# Altium PCB Main_Board.PcbDoc (continued)
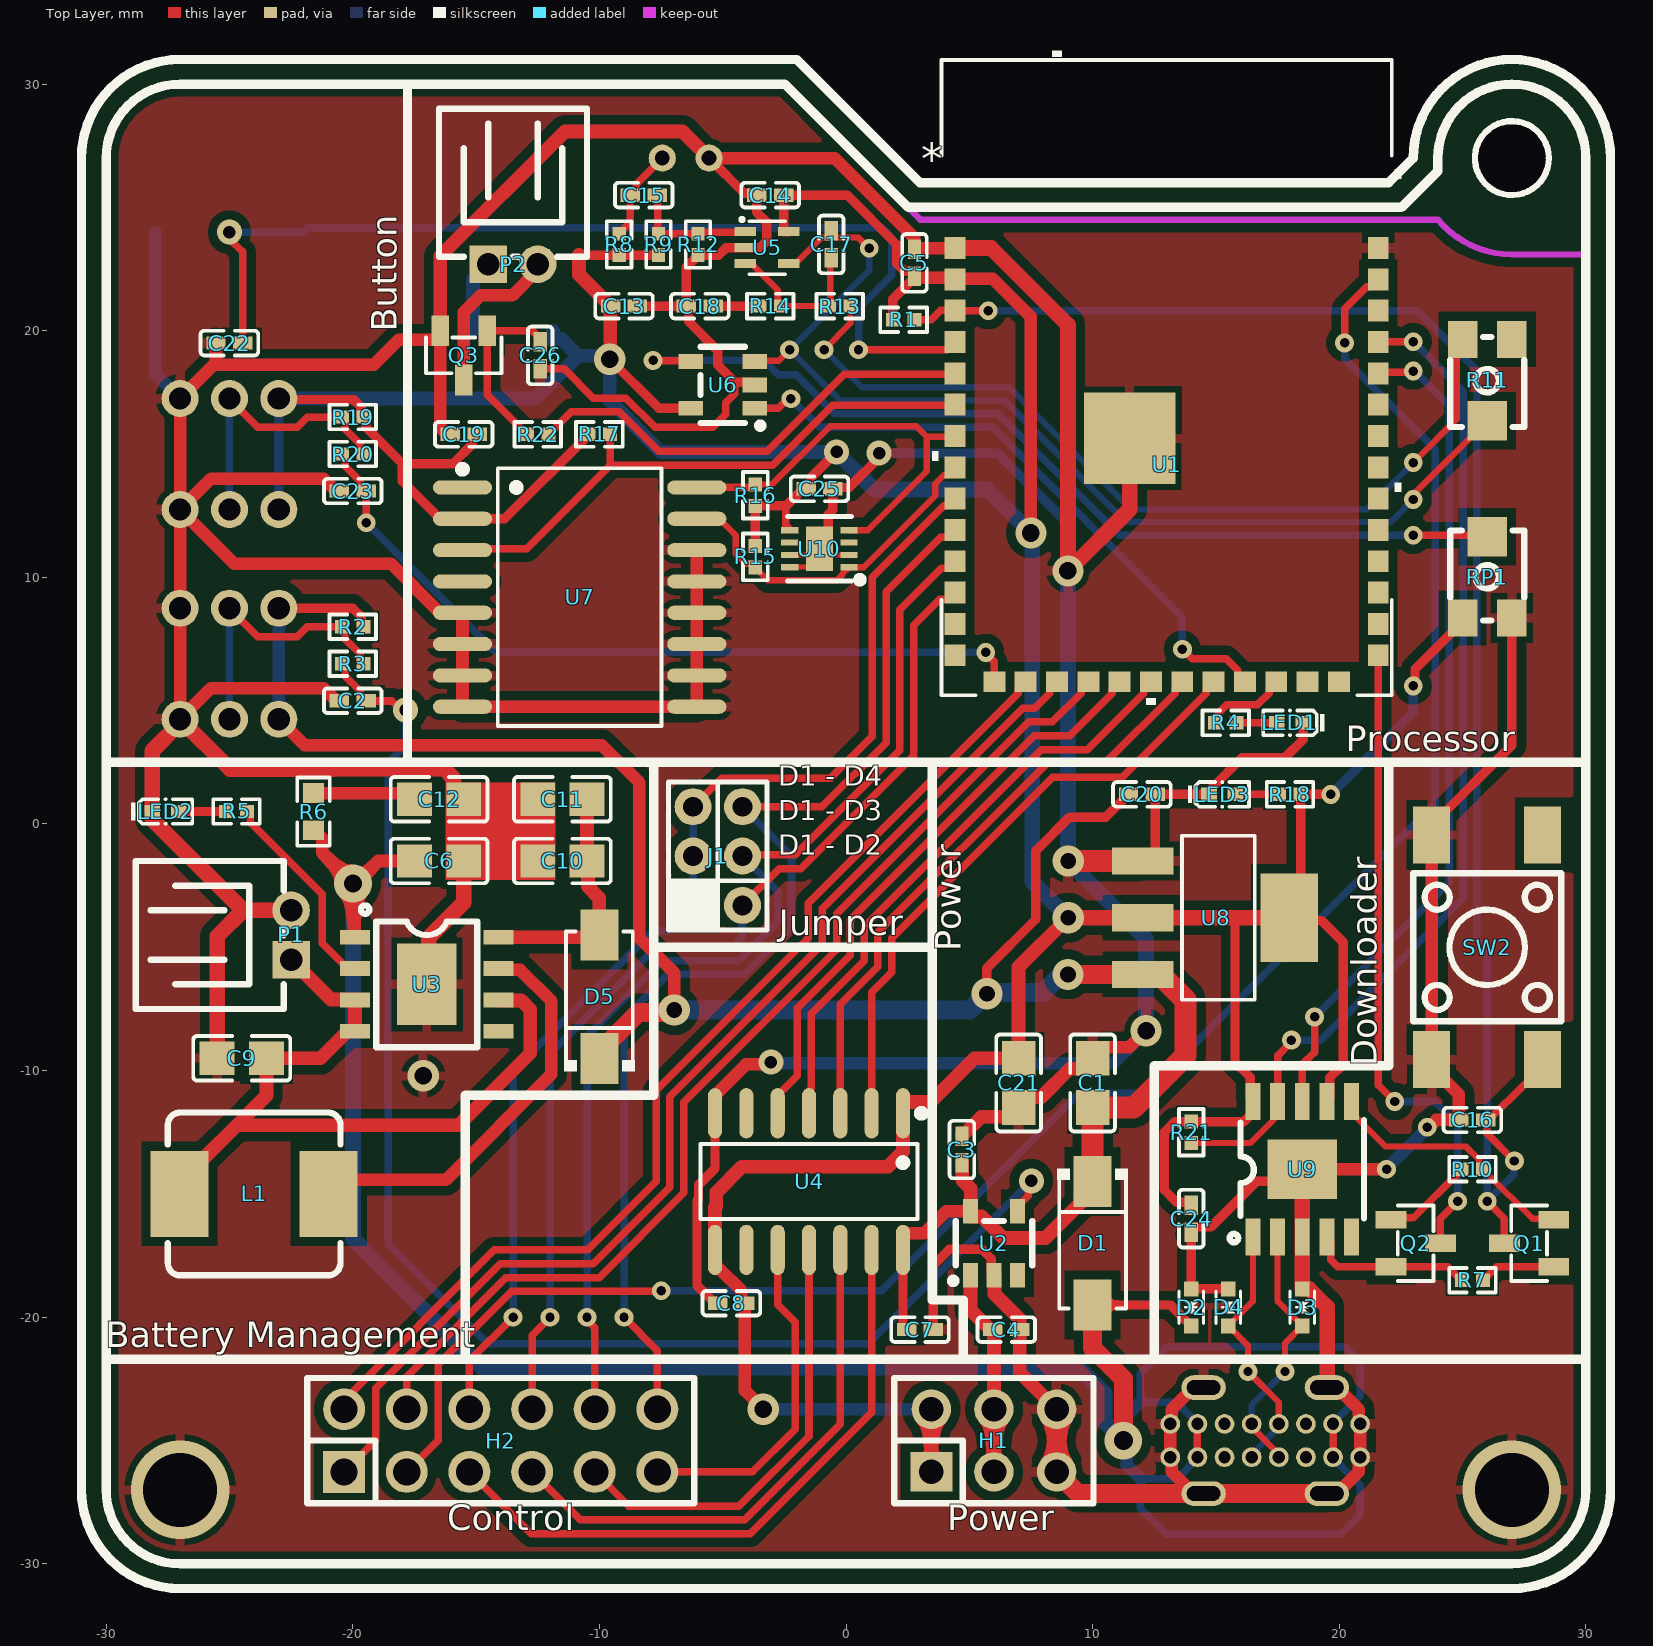
[diagram p0: Top Layer view]
## Footprints (in the part's own frame and the unit in brackets; to place one, negate y for a bottom-side part, rotate by r counter-clockwise, add the part's x,y. Pads: shape width x height; smd on the part's side, far side on the other; paste and mask are expansions set on the pad) (continued)
SOT-23-3_L2.9-W1.3-P1.90-LS2.4-BR [mm]
  rect 1.25x0.7 smd: 1(1,-0.95) 2(1,0.95) 3(-1,0)
  silkscreen extent -0.73,-1.53 0.73,1.53, body extent -1.25,-1.45 1.25,1.45, height 1.05
SOT-23-5_L3.0-W1.7-P0.95-LS2.8-BR [mm]
  rect 1x0.6 smd: 1(1.3,-0.95) 2(1.3,0) 3(1.3,0.95) 4(-1.3,0.95) 5(-1.3,-0.95)
  silkscreen extent -0.9,-1.78 1.65,1.55, body extent -1.47,-1.37 1.42,1.41, height 1.2
SOT-223-3_L6.5-W3.4-P2.30-LS7.0-BR [mm]
  rect 2.5x1.1 smd: 1(2.97,-2.3) 2(2.97,0) 3(2.97,2.3)
  rect 2.34x3.6 smd: 4(-2.97,0)
  silkscreen extent -1.57,-3.33 1.37,3.33, body extent -3.65,-3.25 3.45,3.25, height 1.75
SW-SMD_4P-L6.0-W6.0-P4.50-LS9.0-2 [mm]
  rect 2.3x1.5 smd: 1(-4.55,2.25) 2(4.55,2.25) 3(-4.55,-2.25) 4(4.55,-2.25)
  silkscreen extent -3,-3 3,3, body extent -4.2,-3.2 4.2,3.2, height 3.4
SW-TH_6P-L5.8-W5.8-P2.00-LS4.5-BL [mm]
  round 1.5 hole 0.9: 1(-2,-2.25) 2(0,-2.25) 3(2,-2.25) 4(-2,2.25) 5(0,2.25) 6(2,2.25)
  silkscreen extent -2.9,-2.9 2.9,2.9, body extent -2.9,-2.9 2.9,2.9, height 8
USB-C-TH_TYPE-C-31-D-09 [mm]
  oval 1.8x1 hole 0.6 slot 1.365 at 0 deg: 17(2.5,2.15) 18(-2.5,2.15) 19(-2.5,-2.15) 20(2.5,-2.15)
  round 0.8 hole 0.5: A1(-3.85,0.675) A4(-2.75,0.675) A5(-1.65,0.675) A6(-0.55,0.675) A7(0.55,0.675) A8(1.65,0.675) A9(2.75,0.675) A12(3.85,0.675) B1(3.85,-0.675) B4(2.75,-0.675) B5(1.65,-0.675) B6(0.55,-0.675) B7(-0.55,-0.675) B8(-1.65,-0.675) B9(-2.75,-0.675) B12(-3.85,-0.675)
  silkscreen extent -4.5,-1.6 4.5,1.6, body extent -4.47,-2.3 4.47,2.3, height 6.5

## Part data
C1 C6 C11 C12 C21: BOM_JLCPCB Part Class="Extended Part", BOM_Manufacturer=SAMSUNG(三星), BOM_Manufacturer Part=CL21A106KOQNNNE, BOM_Supplier=LCSC, BOM_Supplier Part=C1713, nameAlias=Capacitance, spicePre=C, spiceSymbolName=CL21A106KOQNNNE
C2 C3 C5 C7 C8 C13 C14 C15 C16 C19 C20 C22 C23 C24 C25: BOM_JLCPCB Part Class="Basic Part", BOM_Manufacturer=SAMSUNG(三星), BOM_Manufacturer Part=CL05B104KO5NNNC, BOM_Supplier=LCSC, BOM_Supplier Part=C1525, nameAlias=Capacitance, spicePre=C, spiceSymbolName=CL05B104KO5NNNC
C4 C18 C26: BOM_JLCPCB Part Class="Extended Part", BOM_Manufacturer=SAMSUNG(三星), BOM_Manufacturer Part=CL05A105KO5NNNC, BOM_Supplier=LCSC, BOM_Supplier Part=C29266, nameAlias=Capacitance, spicePre=C, spiceSymbolName=CL05A105KO5NNNC
C9 C10: BOM_JLCPCB Part Class="Extended Part", BOM_Manufacturer=SAMSUNG(三星), BOM_Manufacturer Part=CL21A226MOQNNNE, BOM_Supplier=LCSC, BOM_Supplier Part=C98190, nameAlias=Capacitance, spicePre=C, spiceSymbolName=CL21A226MOQNNNE
C17: BOM_JLCPCB Part Class="Extended Part", BOM_Manufacturer=YAGEO(国巨), BOM_Manufacturer Part=CC0402JRNPO9BN101, BOM_Supplier=LCSC, BOM_Supplier Part=C106200, nameAlias=Capacitance, spicePre=C, spiceSymbolName=CC0603JRNPO9BN101
D1 D5: BOM_JLCPCB Part Class="Basic Part", BOM_Manufacturer=MDD, BOM_Manufacturer Part=SS54, BOM_Supplier=LCSC, BOM_Supplier Part=C22452, spicePre=D, spiceSymbolName=SS54_C22452
D2 D3 D4 Q1 Q2 Q3: BOM_JLCPCB Part Class="Extended Part", BOM_Manufacturer=LRC(乐山无线电), BOM_Supplier=LCSC
  D2 D3 D4: BOM_Manufacturer Part=LESD5D5.0CT1G, BOM_Supplier Part=C383211, Contributor=LCSC, spicePre=D, spiceSymbolName=LESD5D5.0CT1G
  Q1 Q2 Q3: BOM_Manufacturer Part=L8050QLT1G, BOM_Supplier Part=C49581, spicePre=Q, spiceSymbolName=L8050QLT1G
D6: BOM_JLCPCB Part Class="Extended Part", BOM_Manufacturer=ROHM(罗姆), BOM_Manufacturer Part=RB161M-20TR, BOM_Supplier=LCSC, BOM_Supplier Part=C427072, Contributor=LCSC, spicePre=D, spiceSymbolName=RB161M-20TR
H1: BOM_JLCPCB Part Class="Extended Part", BOM_Manufacturer=CONNFLY, BOM_Manufacturer Part=DS1023-2*3SF11, BOM_Supplier=LCSC, BOM_Supplier Part=C92272, Contributor=LCSC, spicePre=H, spiceSymbolName=Header-Female-2.54_2x3
H2: BOM_JLCPCB Part Class="Extended Part", BOM_Manufacturer=BOOMELE(博穆精密), BOM_Manufacturer Part=2.54-2*6P母, BOM_Supplier=LCSC, BOM_Supplier Part=C36191, spicePre=H, spiceSymbolName=Header-Female-2.54_2x6
LED1 LED2 LED3: BOM_JLCPCB Part Class="Extended Part", BOM_Manufacturer=yongyu(永裕光电), BOM_Manufacturer Part=SZYY0402B, BOM_Supplier=LCSC, BOM_Supplier Part=C434447, Contributor=LCSC, spicePre=L, spiceSymbolName=SZYY0402B
P1 P2: BOM_JLCPCB Part Class="Extended Part", BOM_Manufacturer=BOOMELE, BOM_Manufacturer Part="PH-2AW RHOS", BOM_Supplier=LCSC, BOM_Supplier Part=C16965, spicePre=X, spiceSymbolName="PH-2AW RHOS"
R1 R2 R7 R10 R13 R17 R19: BOM_JLCPCB Part Class="Extended Part", BOM_Manufacturer=YAGEO(国巨), BOM_Manufacturer Part=RC0402FR-0710KL, Resistance=10kΩ, BOM_Supplier=LCSC, BOM_Supplier Part=C60490, nameAlias="Resistance (Ohms)", spicePre=R, spiceSymbolName=RC0402FR-0710KL
R3 R20: BOM_JLCPCB Part Class="Extended Part", BOM_Manufacturer=YAGEO(国巨), BOM_Manufacturer Part=RC0402FR-073K3L, Resistance=3.3kΩ, BOM_Supplier=LCSC, BOM_Supplier Part=C137992, nameAlias="Resistance (Ohms)", spicePre=R, spiceSymbolName=RC0402FR-073K3L
R4 R5 R18: BOM_JLCPCB Part Class="Basic Part", BOM_Manufacturer=UNI-ROYAL(厚声), BOM_Manufacturer Part=0402WGF2001TCE, Resistance (Ohms)=2K, BOM_Supplier=LCSC, BOM_Supplier Part=C4109, nameAlias=Resistance, spicePre=R, spiceSymbolName=0402WGF2001TCE
R6: BOM_JLCPCB Part Class="Extended Part", BOM_Manufacturer=YAGEO(国巨), BOM_Manufacturer Part=RC0603FR-072RL, Resistance=2Ω, BOM_Supplier=LCSC, BOM_Supplier Part=C185341, Contributor=LCSC, nameAlias="Resistance (Ohms)", spicePre=R, spiceSymbolName=RC0603FR-072RL
R8: library part 2kΩ, BOM_JLCPCB Part Class="Basic Part", BOM_Manufacturer=UNI-ROYAL(厚声), BOM_Manufacturer Part=0402WGF2001TCE, Resistance (Ohms)=2K, BOM_Supplier=LCSC, BOM_Supplier Part=C4109, nameAlias=Resistance, spicePre=R, spiceSymbolName=0402WGF2001TCE
R9 R12: BOM_JLCPCB Part Class="Extended Part", BOM_Manufacturer=YAGEO(国巨), BOM_Manufacturer Part=RC0402FR-07100KL, Resistance=100kΩ, BOM_Supplier=LCSC, BOM_Supplier Part=C60491, nameAlias="Resistance (Ohms)", spicePre=R, spiceSymbolName=RC0402FR-07100KL
R11: library part RP-VG039NCHXTB104, BOM_JLCPCB Part Class="Extended Part", BOM_Manufacturer=HDK(北陆电气), BOM_Manufacturer Part=VG039NCHXTB104, Resistance (Ohms)=100K, BOM_Supplier=LCSC, BOM_Supplier Part=C128545, Contributor=LCSC, nameAlias=Resistance, Resistance(Ohms)=100K, spicePre=R, spiceSymbolName=VG039NCHXTB104
R14 R22: BOM_JLCPCB Part Class="Extended Part", BOM_Manufacturer=YAGEO(国巨), BOM_Manufacturer Part=RC0402FR-071KL, Resistance=1kΩ, BOM_Supplier=LCSC, BOM_Supplier Part=C106235, nameAlias="Resistance (Ohms)", spicePre=R, spiceSymbolName=RC0402FR-071KL
R15 R16 R21: BOM_JLCPCB Part Class="Extended Part", BOM_Manufacturer=YAGEO(国巨), BOM_Manufacturer Part=RC0402FR-074K7L, Resistance=4.7kΩ, BOM_Supplier=LCSC, BOM_Supplier Part=C105871, nameAlias="Resistance (Ohms)", spicePre=R, spiceSymbolName=RC0402FR-074K7L
RP1: library part RP-VG039NCHXTB203, BOM名称=插件电位器, 学习资源=www.ooocke.com, 版权归属=源创客
SW1 SW4: BOM_JLCPCB Part Class="Extended Part", BOM_Manufacturer=G-Switch, BOM_Manufacturer Part=PS-5850A-6PL, BOM_Supplier=LCSC, BOM_Supplier Part=C963201, Contributor=LCSC, spicePre=S, spiceSymbolName=PS-5850A-6PL
SW2: BOM_JLCPCB Part Class="Extended Part", BOM_Manufacturer=kinghelm(金航标), BOM_Manufacturer Part=KH-6X6X5H-STM, BOM_Supplier=LCSC, BOM_Supplier Part=C2837531, Contributor=LCSC, spicePre=S, spiceSymbolName=KH-6X6X5H-STM
U1: Mfr_Name="Espressif Systems", Copyright="Copyright (C) 2023 Ultra Librarian. All rights reserved.", Manufacturer_Part_Number=ESP32-S3-WROOM-1-N8, RefDes=RefDes, Type=DEV
U2 U4 U6: BOM_JLCPCB Part Class="Extended Part", BOM_Manufacturer=TI(德州仪器), BOM_Supplier=LCSC, spicePre=U
  U2: BOM_Manufacturer Part=TPS2069CDBVR, BOM_Supplier Part=C181752, Contributor=LCSC, spiceSymbolName=TPS2069CDBVR
  U4: BOM_Manufacturer Part=TXS0104EDR, BOM_Supplier Part=C79342, Contributor=LCSC, spiceSymbolName=TXS0104EDR
  U6: BOM_Manufacturer Part=TLV3201AIDBVR, BOM_Supplier Part=C105188, spiceSymbolName=TLV3201AIDBVR
U3: BOM_JLCPCB Part Class="Extended Part", BOM_Manufacturer=INJOINIC(英集芯), BOM_Manufacturer Part=IP5305T, BOM_Supplier=LCSC, BOM_Supplier Part=C2982924, Contributor=LCSC, link=https://atta.szlcsc.com/upload/public/pdf/source/20220321/07FA860261DB7C99CD3F2F36D10D3B23.pdf, spicePre=U, spiceSymbolName=IP5305T
U5: BOM_JLCPCB Part Class="Extended Part", BOM_Manufacturer=null, BOM_Manufacturer Part=MAX4466EXK+, BOM_Supplier=LCSC, BOM_Supplier Part=C2892801, Contributor=LCSC, spicePre=U, spiceSymbolName=MAX4466EXK+
U7: BOM_JLCPCB Part Class="Extended Part", BOM_Manufacturer=MAXIM(美信), BOM_Manufacturer Part=DS3231SN#T&R, BOM_Supplier=LCSC, BOM_Supplier Part=C9866, image=http://image.lceda.cn/szlcsc/C9866.jpg, spicePre=U, spiceSymbolName=DS3231SN#, subpart_no=1, tags=Clock
U8: BOM_JLCPCB Part Class="Basic Part", BOM_Manufacturer=AMS, BOM_Manufacturer Part=AMS1117-3.3, BOM_Supplier=LCSC, BOM_Supplier Part=C6186, sourceId=dwIGgezVh, spicePre=U, spiceSymbolName=AMS1117-3.3, timeStamp=1476261164
U9: BOM_JLCPCB Part Class="Extended Part", BOM_Manufacturer=WCH(南京沁恒), BOM_Manufacturer Part=CH340K, BOM_Supplier=LCSC, BOM_Supplier Part=C968586, Contributor=LCSC, spicePre=U, spiceSymbolName=CH340K
U10: BOM_JLCPCB Part Class="Extended Part", BOM_Manufacturer=Sensirion(瑞士盛思锐), BOM_Manufacturer Part=SHT30-DIS-B10KS, BOM_Supplier=LCSC, BOM_Supplier Part=C2687423, Contributor=LCSC, spicePre=U, spiceSymbolName=SHT30-DIS-B10KS
USB1: BOM_JLCPCB Part Class="Extended Part", BOM_Manufacturer=韩国韩荣, BOM_Manufacturer Part=TYPE-C-31-D-09, BOM_Supplier=LCSC, BOM_Supplier Part=C2848615, Contributor=LCSC, spicePre=U, spiceSymbolName=TYPE-C-31-D-09

## Via types
v1: diameter 0.762, hole 0.381, Top Layer to Bottom Layer, 33 vias
v2: diameter 1.27, hole 0.711, Top Layer to Bottom Layer, 6 vias
v3: diameter 1.016, hole 0.508, Top Layer to Bottom Layer, 6 vias
v4: diameter 1.27, hole 0.635, Top Layer to Bottom Layer, 5 vias
v5: diameter 4, hole 3, Top Layer to Bottom Layer, 2 vias
v6: diameter 1.524, hole 0.711, Top Layer to Bottom Layer, 1 vias
v7: diameter 1.524, hole 0.762, Top Layer to Bottom Layer, 1 vias

## Nets (pads, with @x,y where several pads share a name; then routed paths per layer and width w, separated by ;. In a path a pad name is that pad's centre, name@x,y a point inside that pad or via, vN(x,y) a via of type N, cw(c..) or ccw(c..) an arc to the next point about the centre after c; other vN are vias at no path point)
+3.3V: C5.2 C8.2 C13.2 C14.2 C19.2 C21.2 C24.2 C25.2 D6.2 H1.1 H1.2 R1.2 R8.2 R9.2 R15.2 R16.2 R17.2 R18.1 R19.2 R21.2 RP1.1 SW4.1 SW4.4 U1.2 U4.1 U4.8 U5.5 U6.5 U7.2 U8.2 U8.4 U9.7 U9.10 U10.5 | length 213.8
  Top Layer w0.305: -2.436,12.899 -2.436,12.106 U10.5@-2.293,11.963
  Top Layer w0.381: SW4.4 -22.965,17.215 -19.966,17.215 -19.66,16.908 -19.66,16.58 -19.58,16.5 -19.554,16.5 -19.475,16.42 -19.475,16.092 -17.988,14.605 ; C19.2@-14.955,15.72 -15.159,15.72 -15.159,15.392 -15.946,14.605 -17.988,14.605 ; -10.821,23.067 R8.2 R9.2 ; R17.2@-10.34,15.88 -10.366,15.88 -10.525,15.72 -10.525,15.695 -13.845,12.375 U7.2 -16.464,12.375 -17.988,13.899 -17.988,14.605 ; C13.2@-9.75,21.205 -9.75,21.08 -9.67,21 C13.2 ; v2(-9.576,18.847) -7.585,16.856 U6.5 ; R15.2 R16.2 -2.436,12.899 C25.2@-1.746,13.589 ; C14.2@-2.743,25.5 C14.2 ; U5.5 -2.521,24.018 -2.53,24.026 C14.2 ; C25.2 -1.496,13.589 -1.417,13.669 -1.417,14.052 v3(-0.381,15.088) ; R1.2 1.903,21.289 2.615,22 2.696,22 2.776,22.08 C5.2 2.776,22.33 2.696,22.409 2.368,22.409 2.061,22.716 2.061,23.491 0.052,25.5 C14.2 ; C24.2 14,-15.417 13.92,-15.337 13.407,-15.337 12.903,-14.834 12.903,-12.497 13.333,-12.067 R21.2 16.133,-12.067 16.5,-11.7 U9.10 16.39,-11.141 16.39,-10.269 15.773,-9.652 15.773,-3.8 ; U8.4@17.97,-3.63 18.433,-3.167 R18.1 v1(19.66,1.2) ; U8.4@18.055,-3.715 18.252,-3.912 19.279,-3.912 20.168,-4.801 20.168,-9.728 19.609,-10.286 19.609,-11.141 U9.7 ; v1(23,5.6) 23.073,5.673 23.073,6.273 25,8.2 RP1.1
  Top Layer w0.508: v2(-9.576,18.847) v2@-9.56,18.862 ; C13.2@-9.56,20.985 C13.2 ; U4.8 -5.31,-17.983 -5.28,-18.014 -5.152,-18.014 -4.244,-18.921 -4.244,-19.415 -4.228,-19.431 C8.2 -4.103,-22.98 v2(-3.353,-23.73) ; C5.2@2.792,22.144 4.358,22.144 U1.2 4.443,22.107 5.96,22.107 7.5,20.567 v2(7.5,11.8) ; H1.1 H1.2
  Top Layer w0.559: -10.821,23.067 -10.821,22.276 C13.2@-9.75,21.205 ; v2@-9.56,18.862 C13.2@-9.56,20.985 ; U4.8 -5.307,-17.266 -5.307,-15.554 -5.258,-15.505 -5.258,-14.935 -4.216,-13.894 1.702,-13.894 2.31,-13.286 U4.1 2.31,-11.281 2.317,-11.274 3.435,-11.274 5.209,-9.5 C21.2 7,-5.8 9,-3.8 v4(9.006,-3.8)
  Top Layer w0.635: v4(9.006,-3.8) U8.2 15.773,-3.8 U8.4
  Bottom Layer w0.381: SW4.1 SW4.4 ; v1(19.66,1.2) 23,4.54 v1(23,5.6)
  Bottom Layer w0.508: v2(-3.353,-23.73) H1.2
  Bottom Layer w0.559: SW4.4 -12.594,17.25 -10.861,18.983 ; D6.2@-11.999,19.679 D6.2@-11.879,19.8 ; D6.2 D6.2@-11.879,19.8 ; v3(-0.381,15.088) -7.518,15.088 -9.576,17.145 v2(-9.576,18.847) -9.712,18.983 -10.861,18.983 ; D6.2@-11.879,19.8 -11.758,19.679 -11.558,19.679 -10.861,18.983
  Bottom Layer w0.635: v3(-0.381,15.088) 1.143,13.564 5.736,13.564 v2(7.5,11.8) 7.551,11.749 7.551,-2.345 v4(9.006,-3.8)
+5V: C1.2 C3.2 C7.2 C20.2 D1.2 D5.2 R2.2 SW1.1 SW1.4 U2.5 U4.14 U8.3 | length 97.2
  Top Layer w0.381: SW1.4 -20.001,8.75 -19.66,8.408 -19.66,8.08 -19.58,8 -19.554,8 -19.475,7.92 R2.2@-19.475,7.908 ; U4.14@2.399,-16.601 2.31,-16.691 U4.14 2.31,-20.42 2.39,-20.5 C7.2 ; v4(5.715,-6.883) 5.715,-5.842 7.696,-3.861 7.696,-1.092 9.068,0.279 10.534,0.279 C20.2 ; U8.3@12.899,-6.1 U8.3@12.899,-5.931
  Top Layer w0.508: SW1.1 -21.95,3.2 -9.906,3.2 -8.382,1.676 -8.382,-4.623 -6.96,-6.045 v4(-6.96,-7.544) ; U4.14@2.399,-16.601 3.168,-16.601 4.07,-15.7 U2.5
  Top Layer w0.559: C3.2 4.709,-13.754 4.709,-14.438 5.055,-14.783 5.055,-15.895 U2.5@5.05,-15.9 ; U2.5 U2.5@5.05,-15.9 ; D1.2 9.51,-14.986 9.51,-15.375 8.095,-16.789 6.375,-16.789 5.506,-15.92 5.071,-15.92 U2.5@5.05,-15.9
  Top Layer w0.762: D5.2 -10,-9.242 -8.399,-7.641 -7.057,-7.641 v4(-6.96,-7.544) ; v4(9,-6.1) U8.3
  Top Layer w0.889: D1.2 C1.2 11.665,-11.5 13.767,-9.398 13.767,-7.137 12.73,-6.1 U8.3
  Bottom Layer w0.508: SW1.1 SW1.4
  Bottom Layer w0.762: v4@-6.92,-7.544 5.015,-7.544 5.675,-6.883 v4(5.715,-6.883) ; v4@5.715,-6.833 7.992,-6.833 8.704,-6.121 v4@8.967,-6.121
BackL: R22.1 U1.5 | length 18.8
  Top Layer w0.305: R22.1 -12.054,15.8 -11.141,16.713 -9.195,16.713 -7.595,15.113 -3.2,15.113 -0.071,18.243 4.388,18.243 U1.5
BL: H2.5 U4.13 | length 26
  Top Layer w0.305: H2.5 -12.762,-28.778 -3.88,-28.778 1.04,-23.858 U4.13
BL_L: U1.22 U4.2 | length 24.9
  Top Layer w0.305: U4.2 1.04,-6.829 1.854,-6.015 1.854,-4.629 8.384,1.901 11.205,1.901 14.613,5.309 14.613,5.502 14.88,5.769 U1.22
Brightness: H2.3 U1.39 | length 78.2
  Top Layer w0.305: H2.3 -16.526,-24.986 -16.526,-21.913 -13.562,-18.948 -7.518,-18.948 v1(-7.493,-18.923) ; v1(20.218,19.507) 20.218,20.89 21.12,21.792 21.314,21.792 21.581,22.058 U1.39
  Bottom Layer w0.305: v1(-7.493,-18.923) 1.448,-18.923 9.449,-10.922 12.141,-10.922 23.901,0.838 23.901,15.189 20.218,18.872 v1(20.218,19.507)
Button: C22.2 SW3.2 U1.4 | length 41
  Top Layer w0.305: v3(-25,24) -25,23.739 -24.455,23.194 C22.2 ; v1(0.508,19.228) 4.103,19.228 4.127,19.252 4.152,19.252 4.419,19.518 U1.4 U1.4@4.399,19.564
  Bottom Layer w0.305: v3(-25,24) SW3.2 -21.819,24.181 1.472,24.181 1.854,23.799 1.854,22.248 0.508,20.902 v1(0.508,19.228)
CHIP_PU: C16.2 Q1.3 R1.1 SW2.2 U1.3 | length 67.6
  Top Layer w0.305: R1.1 3.454,20.447 3.835,20.828 4.405,20.828 U1.3 v1(5.766,20.814) ; v1(26,-15.3) 26.7,-16 Q1.3 ; v1(27.102,-13.665) 25.985,-12.549 25.985,-12.04 C16.2 26.07,-12 27.523,-10.547 27.652,-10.547 28.25,-9.95 SW2.2
  Bottom Layer w0.305: v1(5.766,20.814) 23.153,20.814 25.578,18.39 25.578,-4.674 26,-5.096 v1@26,-15.292 ; v1(26,-15.3) v1@26,-15.292 ; v1(27.102,-13.665) 27.076,-13.691 27.076,-14.216 v1@26,-15.292
CLK: H2.7 U4.12 | length 22
  Top Layer w0.305: H2.7 -10.781,-28.219 -4.112,-28.219 -0.23,-24.337 U4.12
CLK_L: U1.21 U4.3 | length 24.6
  Top Layer w0.305: U4.3 -0.23,-7.309 1.295,-5.784 1.295,-4.397 8.152,2.46 10.494,2.46 13.343,5.309 13.343,5.502 13.61,5.769 U1.21
D1: H2.6 J1.1 J1.3 J1.5 U1.9 | length 48.4
  Top Layer w0.305: H2.6@-14.984,-23.73 H2.6 -15.27,-21.77 v1(-13.5,-20) ; J1.5 -5.044,1.856 -2.136,1.856 -2.134,1.854 -0.635,1.854 1.067,3.556 1.067,10.01 3.959,12.902 4.152,12.902 4.419,13.168 U1.9
  Bottom Layer w0.305: v1(-13.5,-20) -13.5,-10.012 -7.817,-4.329 -7.229,-4.329 J1.1 J1.3 J1.5
D2: H2.8 J1.2 U1.12 | length 42.8
  Top Layer w0.305: H2.8 -12.73,-20.73 v1(-12,-20) ; J1.2 -2.707,-1.807 -1.83,-1.807 2.743,2.766 2.743,8.052 3.797,9.105 4.152,9.105 4.419,9.372 U1.12
  Bottom Layer w0.305: v1(-12,-20) -12,-9.302 -7.677,-4.978 -4.578,-4.978 -4.2,-4.601 J1.2
D3: H2.10 J1.4 U1.11 | length 45.1
  Top Layer w0.305: v1(-10.5,-20) -10.5,-20.124 -10.19,-20.434 H2.10 ; J1.4 -4.148,-1.248 -2.061,-1.248 2.184,2.997 2.184,8.687 3.859,10.362 4.152,10.362 4.419,10.628 U1.11
  Bottom Layer w0.305: v1(-10.5,-20) -10.5,-8.592 -7.445,-5.537 -4.346,-5.537 -2.769,-3.96 -2.769,-2.731 J1.4
D4: H2.12 J1.6 U1.10 | length 47.3
  Top Layer w0.305: v1(-9,-20) -7.65,-21.35 H2.12 ; J1.6 -0.976,0.7 1.626,3.302 1.626,9.423 3.834,11.632 4.152,11.632 4.419,11.898 U1.10
  Bottom Layer w0.305: v1(-9,-20) -9,-7.882 -7.214,-6.096 -4.115,-6.096 -2.21,-4.191 -2.21,-1.29 J1.6
D_N: D3.2 U9.2 USB1.A7 USB1.B7 | length 10.6
  Top Layer w0.254: USB1.B7 16.45,-24.45 17.55,-25.55 USB1.A7 ; U9.2 17.5,-19.35 D3.2 17.8,-21.05 v1(17.8,-22.2)
  Bottom Layer w0.254: USB1.B7 16.45,-23.55 v1(17.8,-22.2)
D_P: D4.2 U9.1 USB1.A6 USB1.B6 | length 10.6
  Top Layer w0.254: U9.1 16.5,-19.35 D4.2 16.3,-21.15 v1(16.3,-22.2) 17.55,-23.45 USB1.B6
  Bottom Layer w0.254: USB1.A6 16.45,-25.55 17.55,-24.45 USB1.B6
DIN: H2.11 U4.10 | length 13.9
  Top Layer w0.305: H2.11 -3.791,-26.27 -2.059,-24.538 -2.059,-20.198 -2.77,-19.486 U4.10
DIN_L: U1.19 U4.5 | length 24.1
  Top Layer w0.305: U4.5 -2.682,-11.643 -2.682,-10.911 -1.971,-10.2 -1.971,-7.469 0.178,-5.321 0.178,-3.877 7.636,3.581 9.076,3.581 10.803,5.309 10.803,5.502 11.07,5.769 U1.19
DTR: Q2.2 R7.1 U9.4 | length 6.6
  Top Layer w0.305: U9.4 19.647,-16.898 19.647,-17.666 19.931,-17.95 Q2.2 24.404,-17.95 24.954,-18.5 R7.1
EncoderA: H2.1 U1.17 | length 46.5
  Top Layer w0.305: H2.1 -19.066,-24.986 -19.066,-22.872 -14.025,-17.831 -10.242,-17.831 -7.137,-14.726 -7.137,-11.055 -0.965,-4.883 -0.965,-3.44 7.173,4.699 7.653,4.699 8.263,5.309 8.263,5.502 8.53,5.769 U1.17
EncoderB: H2.2 U1.16 | length 43.2
  Top Layer w0.305: H2.2 -20.35,-23.366 -14.256,-17.272 -10.473,-17.272 -7.696,-14.495 -7.696,-10.795 -1.524,-4.623 -1.524,-3.208 6.993,5.309 6.993,5.502 7.26,5.769 U1.16
GND: C1.1 C2.1 C3.1 C4.1 C5.1 C6.1 C7.1 C8.1 C9.1 C10.1 C11.1 C12.1 C13.1 C14.1 C16.1 C18.1 C19.1 C20.1 C21.1 C22.1 C23.1 C24.1 C25.1 C26.1 D2.1 D3.1 D4.1 H1.5 H1.6 LED1.1 LED2.1 LED3.1 MIC1.2 P1.2 Q3.2 R12.1 RP1.3 SW1.3 SW1.6 SW2.3 SW2.4 SW3.1 SW4.3 SW4.6 U1.1 U1.40 U1.41 U2.2 U3.9 U4.7 U5.2 U6.2 U7.5 U7.6 U7.7 U7.8 U7.9 U7.10 U7.11 U7.12 U7.13 U7.14 U8.1 U9.3 U9.11 U10.2 U10.7 U10.8 U10.9 USB1.17 USB1.18 USB1.19 USB1.20 USB1.A1 USB1.A12 USB1.B1 USB1.B12 | length 377.3
  Top Layer w0.203: U10.8 -1.525,10.412 -1.076,10.861 U10.9 ; U10.7 -1.326,10.913 U10.9 ; U10.2 -0.826,10.913 U10.9
  Top Layer w0.305: C26.1 -11.426,18.455 -10.243,17.272 -8.927,17.272 -7.733,16.078 -5.41,16.078 -4.877,16.612 -4.877,17.077 -4.504,17.45 -4.504,17.915 ; C14.1@-3.788,25.58 C14.1@-3.664,25.456
  Top Layer w0.381: C13.1 C18.1 ; MIC1.2 -4.13,25.58 -3.788,25.58 -3.699,25.58 C14.1 -3.62,24.798 -3.206,24.384 -3.206,23.652 -3.498,23.36 U5.2@-4.075,23.36 ; U4.7 -5.31,-13.964 -5.982,-14.635 -5.982,-15.205 -6.041,-15.265 -6.041,-18.708 -5.398,-19.351 -5.273,-19.351 C8.1 ; U5.2@-4.092,23.36 -4.866,23.36 -5.158,23.067 R12.1 -6,23.054 -6.47,22.584 C18.1 ; U6.2 -3.81,17.915 -4.504,17.915 -5.207,18.618 -5.207,19.202 -6.386,20.382 -6.386,20.92 -6.466,21 C18.1 ; U10.9 -0.717,11.522 -0.717,12.562 -0.531,12.747 C25.1 -0.476,13.644 0.125,13.644 1.346,14.865 v3(1.346,15.037) ; C7.1 3.545,-17.893 4.191,-17.247 5.512,-17.247 5.89,-17.625 5.89,-18.19 U2.2 U2.2@6.021,-18.321 ; U8.1@11.853,-1.5 12.186,-1.5 12.545,-1.141 C20.1 LED3.1 14.767,1.2 14.847,1.28 14.847,1.468 16.071,2.692 17.805,2.692 18.538,3.425 LED1.1 ; C24.1@13.92,-16.637 C24.1@14,-16.558 ; D4.1 D2.1 C24.1@14,-16.558 ; U9.11 18.022,-14.478 16.662,-14.478 14.8,-16.341 14.08,-16.341 14,-16.42 C24.1 C24.1@14,-16.557 ; SW2.3 23.75,-0.05 27,3.2 RP1.3
  Top Layer w0.508: -25.632,18.618 -19.152,18.618 -18.141,19.629 -16.546,19.629 Q3.2@-16.45,19.725 ; C22.1 -25.545,18.705 SW4.6 SW4.3 ; C2.1 -20.67,5 -21.178,5.508 -25.742,5.508 SW1.3 SW1.6 SW4.3 ; C23.1 -20.67,13.5 -21.178,14.008 -25.742,14.008 SW4.3 ; Q3.2 Q3.2@-16.45,19.725 ; C19.1@-16,15.816 -16.016,15.8 C19.1 -16.17,15.8 -16.45,16.08 Q3.2@-16.45,19.725 ; U7.14 U7.13 U7.12 U7.11 U7.10 U7.9 U7.8 U7.7 U7.6 U7.5 -16.464,8.565 -18.456,10.557 -24.807,10.557 SW4.3 ; MIC1.2 -0.46,27 2.76,23.78 2.76,23.75 2.763,23.747 ; U4.7 -5.31,-10.999 -4.06,-9.749 -3.145,-9.749 v3(-3.048,-9.652) ; 2.774,23.736 2.776,23.736 ; C5.1@2.78,23.349 U1.1@4.415,23.349 ; C1.1 10,-9.47 10.421,-9.049 11.488,-9.049 12.155,-8.382 v2(12.167,-8.382) ; USB1.18@14.1,-27.15 13.206,-26.256 13.206,-25.731 USB1.A1 USB1.B12 13.206,-24.269 13.206,-23.744 14.1,-22.85 USB1.19 ; U9.11 18.505,-13.995 v1(21.92,-13.995) ; USB1.17 19.9,-27.15 20.794,-26.256 20.794,-25.731 USB1.A12 USB1.B1 20.794,-24.269 20.794,-23.744 19.9,-22.85 USB1.20 ; v1(23.571,-12.294) 23.64,-12.294 23.934,-12 C16.1 24.855,-10.968 24.333,-10.446 24.246,-10.446 23.75,-9.95 SW2.4 SW2.3
  Top Layer w0.559: Q3.2 -16.45,23.028 -11.395,28.083 -6.633,28.083 MIC1.2 ; C3.1 4.7,-12.549 4.709,-12.539 4.816,-12.539 5.487,-11.868 6.632,-11.868 C21.1 7,-11.47 7.396,-11.074 7.925,-11.074 9.074,-9.926 9.604,-9.926 10,-9.53 C1.1 ; U2.2@6.021,-18.321 6.021,-19.059 7.036,-20.074 7.036,-20.491 C4.1 7.045,-22.235 H1.6
  Top Layer w0.635: LED2.1 -28.128,2.97 -27,4.097 SW1.3 -24.977,2.227 -20.777,2.227 -20.758,2.247 -16.304,2.247 -15.926,1.868 -15.926,1.731 -15.913,1.718 -15.913,1.359 -15.639,1.085 -15.385,1.085 -14.008,-0.292 ; -28.127,0.187 -24.439,-3.5 ; C9.1 -25.5,-4.561 -24.439,-3.5 ; P1.2 -24.439,-3.5 ; U3.9 -16.916,-6.416 -16.916,-4.597 -15.5,-3.181 C6.1 ; U1.1@4.415,23.349 U1.1 5.881,23.354 9,20.234 v2(9,10.262) 11.504,12.766 U1.41 ; D3.1 U9.3 U9.11 ; D3.1 18.774,-18.85 19.507,-19.583 19.507,-22.843 USB1.20
  Top Layer w0.762: H1.6 H1.5 9.42,-27.15 14.1,-27.15 USB1.18 USB1.17
  Top Layer w0.889: v4(9.006,-1.5) U8.1@11.853,-1.5
  Bottom Layer w0.381: v3(1.346,15.037) 6.147,15.037 9,12.184 v2(9,10.262)
  Bottom Layer w0.508: SW3.1 -28,18.25 SW4.6 ; v3(-3.048,-9.652) -2.997,-9.703 10.846,-9.703 v2(12.167,-8.382) ; v1(21.92,-13.995) 21.92,-13.97 23.571,-12.319 v1(23.571,-12.294)
  Bottom Layer w0.635: v2(9,10.262) 9.003,10.259 9.003,-1.497 v4(9.006,-1.5) 9.006,-1.506 12.167,-4.667 v2(12.167,-8.382)
  other v2: -17.145,-10.211
  other v5: -27,-27 27,-27
GPIO0: Q2.3 U1.27 | length 26.5
  Top Layer w0.305: U1.27 21.581,-10.583 v1(22.25,-11.252) v1@22.25,-11.154 ; Q2.3 24.1,-16 v1(24.8,-15.3)
  Bottom Layer w0.305: v1(22.25,-11.252) 23.866,-11.252 24.8,-12.186 v1(24.8,-15.3)
HVIN: C4.2 H1.3 H1.4 U2.1 | length 8.5
  Top Layer w0.559: U2.1@5.071,-18.32 U2.1 5.05,-19.701 5.849,-20.5 C4.2 5.991,-20.5 6,-20.509 H1.4 H1.3
INT: R17.1 U1.6 U7.3 | length 23.7
  Top Layer w0.305: U7.3 -15.499,11.157 -12.948,11.157 -9.55,14.554 ; R17.1 -9.55,15.783 -9.55,14.554 ; U1.6@4.419,16.978 -0.545,16.978 -2.969,14.554 -9.55,14.554
LE: H2.9 U4.11 | length 18
  Top Layer w0.305: H2.9 -8.799,-27.661 -4.343,-27.661 -1.5,-24.817 U4.11
LE_L: U1.20 U4.4 | length 24.3
  Top Layer w0.305: U4.4 -1.448,-11.679 -1.448,-10.757 -1.412,-10.721 -1.412,-7.701 0.737,-5.552 0.737,-4.166 7.921,3.019 9.783,3.019 12.073,5.309 12.073,5.502 12.34,5.769 U1.20
MIC_D: U1.23 U6.1 | length 25.7
  Top Layer w0.305: U6.1 -2.743,16.855 -2.352,17.247 v1(-2.235,17.247) ; v1(13.64,7.087) 13.657,7.087 14.047,6.696 15.416,6.696 15.883,6.23 15.883,6.036 16.15,5.769 U1.23
  Bottom Layer w0.305: v1(-2.235,17.247) -1.067,16.078 5.95,16.078 13.64,8.388 v1(13.64,7.087)
NetC2_2: C2.2 R3.1 U2.4 | length 57.7
  Top Layer w0.305: R3.1 -20.42,6.5 -20.302,6.382 -20.302,5.997 -19.698,5.392 -19.698,5.118 -19.58,5 C2.2 -19.443,4.988 -18.414,4.988 -18.049,4.623 v3(-17.856,4.623) ; U2.4 6.95,-15.5 7.382,-15.068 7.382,-14.604 v3(7.518,-14.468)
  Bottom Layer w0.305: v3(-17.856,4.623) -17.856,3.2 -18.567,2.489 -18.567,-17.043 -14.529,-21.082 0.903,-21.082 v3(7.518,-14.468)
NetC10_2: C10.2 C11.2 D5.1 U3.8 | length 9.8
  Top Layer w0.559: U3.8 -10.099,-4.595 D5.1 -10.008,-4.489 -10.008,-2.997 -10.465,-2.54 -10.465,-1.535 C10.2 C11.2
NetC12_2: C12.2 R6.1 | length 4.2
  Top Layer w0.508: R6.1 -17.752,1.252 C12.2
NetC15_1: C15.1 R9.1 R12.2 U5.1 | length 5.1
  Top Layer w0.305: C15.1 -7.627,25.473 -7.627,23.96 R9.1 R12.2 -5.944,23.988 -4.113,23.988 U5.1
NetC15_2: C15.2 MIC1.1 R8.1 | length 3.9
  Top Layer w0.305: R8.1 -9.2,23.946 -8.745,24.401 C15.2 -8.62,25.5 -8.502,25.618 -8.502,25.948 MIC1.1
NetC17_1: C17.1 R11.2 U5.4 U6.3 | length 44.5
  Top Layer w0.254: U6.3@-4.059,18.755 U6.3@-3.859,18.755 ; U6.3 -3.667,18.788 -2.725,18.788 v1(-2.286,19.228) ; U5.4 -2.066,22.718 -1.007,23.777 -0.743,23.777 C17.1@-0.6,23.92 ; C17.1 C17.1@-0.6,23.92 ; v1(0.94,23.343) 0.505,23.777 -0.457,23.777 C17.1@-0.6,23.92 ; v1@22.809,13.159 R11.2
  Bottom Layer w0.254: v1(0.94,23.343) 0.94,22.454 v1(-2.286,19.228) -0.229,17.17 6.426,17.17 11.354,12.243 22.086,12.243 v1(23,13.157)
NetC17_2: C17.2 R13.1 R14.2 U5.3 | length 6.6
  Top Layer w0.254: U5.3 -3.832,22.718 -2.765,21.651 -2.765,21.123 R14.2 R13.1 -0.643,21.043 -0.643,22.912 C17.2 C17.2@-0.488,23.067
NetC18_2: C18.2 R14.1 | length 1.9
  Top Layer w0.381: C18.2 R14.1
NetC26_2: C26.2 Q3.1 R22.2 | length 7.3
  Top Layer w0.305: R22.2 -12.946,15.8 -14.55,17.404 Q3.1 -12.73,20 -12.4,19.67 C26.2
NetD6_1: D6.1 P2.1 | length 3
  Bottom Layer w0.559: D6.1 -15.121,22.079 P2.1
NetL1_1: L1.1 U3.7 | length 16.7
  Top Layer w0.508: L1.1 -20.4,-14.425 -16.228,-14.425 -11.945,-10.142 -11.945,-7.181 -13.215,-5.911 -14.046,-5.911 U3.7
NetLED1_2: LED1.2 R4.2 | length 1.6
  Top Layer w0.305: R4.2 LED1.2
NetLED2_2: LED2.2 R5.1 | length 1.9
  Top Layer w0.381: LED2.2 R5.1
NetLED3_2: LED3.2 R18.2 | length 1.8
  Top Layer w0.305: LED3.2 R18.2
NetP2_2: P2.2 Q3.3 | length 6.5
  Top Layer w0.508: Q3.3 -15.5,20.743 -14.813,21.43 -13.528,21.43 P2.2@-12.5,22.458
NetQ1_1: Q1.1 R7.2 | length 3.1
  Top Layer w0.305: R7.2 25.846,-18.5 26.396,-17.95 Q1.1
NetQ2_1: Q2.1 R10.2 | length 3.7
  Top Layer w0.305: Q2.1 22.175,-15.975 23.004,-15.975 24.837,-14.142 24.837,-14.118 24.943,-14.012 R10.2@24.967,-14.012
NetR4_1: R4.1 U1.24 | length 3.5
  Top Layer w0.305: R4.1@14.936,4.131 R4.1 14.98,4.1 15.098,4.218 15.098,4.492 15.442,4.837 16.681,4.837 17.153,5.309 17.153,5.502 17.42,5.769 U1.24
NetR5_2: R5.2 U3.2 | length 8.4
  Top Layer w0.305: R5.2 -24.268,0.508 -24.15,0.39 -24.15,0.071 -21.234,-2.845 -21.234,-4.839 -20.208,-5.865 U3.2
NetR11_3: R11.3 R13.2 | length 35.4
  Top Layer w0.254: v1(-0.889,19.228) 0.179,20.296 R13.2 ; v1(23,14.656) 24.765,16.421 24.765,19.415 R11.3
  Bottom Layer w0.254: v1(-0.889,19.228) 0.635,17.704 6.611,17.704 7.916,16.399 11.564,12.751 21.095,12.751 v1(23,14.656)
NetRP1_2: RP1.2 U6.4 | length 38.7
  Top Layer w0.305: v1(-7.823,18.796) -7.803,18.776 -6.32,18.776 U6.4 U6.4@-6.5,18.755 ; v1@22.835,11.709 v1(23,11.709) 25.941,11.709 RP1.2
  Bottom Layer w0.305: v1(-7.823,18.796) -3.323,18.796 -2.739,18.212 -2.024,18.212 -0.45,16.637 6.181,16.637 11.109,11.709 v1(23,11.709)
P1: R2.1 R3.2 SW1.2 SW1.5 | length 11.4
  Top Layer w0.305: SW1.5 -23.844,7.594 -22.245,7.594 -21.838,8 R2.1 ; R2.1@-20.302,7.882 -20.302,7.497 -19.698,6.892 -19.698,6.618 -19.58,6.5 R3.2
  Bottom Layer w0.305: SW1.2 SW1.5
P2: R19.1 R20.2 SW4.2 SW4.5 | length 11.4
  Top Layer w0.305: SW4.5 -23.844,16.094 -22.245,16.094 -21.838,16.5 R19.1 ; R19.1@-20.302,16.382 -20.302,15.997 -19.698,15.392 -19.698,15.118 -19.58,15 R20.2
  Bottom Layer w0.305: SW4.2 SW4.5
RTS: Q1.2 R10.1 U9.6 | length 10.6
  Top Layer w0.254: U9.6 20.5,-11.7 21.881,-13.081 25.14,-13.081 25.677,-13.618 25.677,-13.857 25.82,-14 R10.1 ; R10.1@25.834,-14 25.846,-14 25.989,-14.143 25.989,-14.155 27.843,-16.009 28.659,-16.009 Q1.2
SCL: R16.1 U1.7 U7.16 U10.4 | length 17.1
  Top Layer w0.254: R16.1 -3.004,13.765 -0.64,16.129 2.845,16.129 3.277,15.697 ; U10.4 0.889,11.913 3.277,14.3 3.277,15.697 ; U1.7 4.383,15.697 3.277,15.697
  Top Layer w0.305: U7.16 R16.1@-3.794,13.645
SDA: R15.1 U1.8 U7.15 U10.1 | length 14
  Top Layer w0.254: U7.15 -5.136,12.375 -4.468,11.707 -4.468,10.965 -4.058,10.555 R15.1@-3.819,10.555 ; R15.1 -3.676,10.386 -3.171,9.882 -0.368,9.882 -0.145,10.105 -0.145,10.142 U10.1 ; U10.1 0.715,10.412 3.619,13.316 3.619,13.797 3.969,14.146 4.127,14.146 4.419,14.438 U1.8
Sleep_SW: C23.2 R20.1 U1.15 | length 31.9
  Top Layer w0.305: R20.1 -20.42,15 -20.302,14.882 -20.302,14.497 -19.698,13.892 -19.698,13.618 -19.58,13.5 C23.2 ; v1(-19.456,12.217) C23.2 ; v1(5.664,6.96) 5.664,6.921 6.015,6.57 U1.15
  Bottom Layer w0.305: v1(-19.456,12.217) -14.199,6.96 v1(5.664,6.96)
SW: H2.4 U1.18 | length 43.7
  Top Layer w0.305: H2.4 -17.81,-22.406 -13.793,-18.39 -10.01,-18.39 -6.579,-14.958 -6.579,-11.287 -0.381,-5.089 -0.381,-3.646 7.405,4.14 8.364,4.14 9.533,5.309 9.533,5.502 9.8,5.769 U1.18
U0RXD: U1.36 U9.8 | length 34.2
  Top Layer w0.305: U9.8 18.5,-9.745 18.999,-9.246 v1(18.999,-7.823) ; U1.36 21.626,18.319 23.018,18.319 v1@23.063,18.364
  Bottom Layer w0.305: v1(18.999,-7.823) 24.46,-2.362 24.46,16.967 23.063,18.364 v1(23,18.364)
U0TXD: R21.1 U1.37 U9.9 | length 41.5
  Top Layer w0.254: R21.1 16.406,-12.933 17.181,-12.158 17.181,-12.156 17.327,-12.01 17.327,-11.423 U9.9
  Top Layer w0.305: U9.9 17.5,-9.389 18.059,-8.829 v1(18.059,-8.763) ; U1.37 21.588,19.551 23.107,19.551 v1@23.114,19.558
  Bottom Layer w0.305: v1(18.059,-8.763) 19.253,-8.763 25.019,-2.997 25.019,17.539 v1(23,19.558)
VBAT: C9.2 L1.2 P1.1 U3.3 U3.4 U3.6 | length 32
  Top Layer w0.559: L1.2 -27.025,-14.425 -26.129,-13.529 -26.016,-13.529 -24.704,-12.217 ; P1.1 -20.886,-7.114 -19.929,-7.114 U3.3 U3.4 -20.208,-8.405 -21.303,-9.5 C9.2 -23.5,-11.013 -23.739,-11.252 -24.704,-12.217 ; U3.6 -14.071,-7.156 -13.164,-7.156 -12.802,-7.518 -12.802,-9.296 -15.723,-12.217 -24.704,-12.217
VIN: C6.2 D1.1 D2.2 R6.2 U3.1 USB1.A4 USB1.A9 USB1.B4 USB1.B9 | length 107.2
  Top Layer w0.305: USB1.A4 USB1.B9 ; USB1.A9 USB1.B4
  Top Layer w0.381: D1.1 13.154,-19.504 D2.2
  Top Layer w0.508: R6.2 -21.561,-0.254 -21.234,-0.581 -21.234,-1.168 v6(-19.99,-2.413) ; U3.1 -19.949,-4.554 -19.949,-2.454 v6(-19.99,-2.413) ; C6.2 -18.967,-1.5 -19.88,-2.413 v6(-19.99,-2.413)
  Top Layer w0.762: D1.1 10,-21.25 11.25,-22.5 v7(11.25,-25)
  Bottom Layer w0.305: v7@11.373,-24.547 11.25,-24.67 v7(11.25,-25) v7@11.38,-25.13 ; USB1.A4 14.25,-25.715 13.422,-26.543 11.938,-26.543 11.938,-27.738 13,-28.8 20.05,-28.8 20.85,-28 20.85,-26.816 19.75,-25.715 USB1.A9 ; USB1.B9 14.25,-24.285 13.409,-23.444 11.938,-23.444 11.938,-22.262 13,-21.2 20.213,-21.2 20.85,-21.837 20.85,-23.184 19.75,-24.285 USB1.B4
  Bottom Layer w0.508: v7@11.373,-24.547 11.373,-24.009 11.938,-23.444 ; v7@11.38,-25.13 11.38,-25.985 11.938,-26.543
  Bottom Layer w0.635: v6(-19.99,-2.413) -19.99,-16.815 -14.757,-22.047 9.449,-22.047 10.49,-23.089 10.49,-24.233 11.25,-24.993 v7(11.25,-25)
pads on no net: R11.1 SW2.1 U1.13 U1.14 U1.25 U1.26 U1.28 U1.29 U1.30 U1.31 U1.32 U1.33 U1.34 U1.35 U1.38 U2.3 U3.5 U4.6 U4.9 U7.1 U7.4 U9.5 U10.3 U10.6 USB1.A5 USB1.A8 USB1.B5 USB1.B8

## Polygon pours and split planes (outlines as drawn)
GND on Top Layer "NONET_L-01_P-001" (solid, remove dead copper, pour order 0): -30,-27 -30,27 cw(c-27,27) -27,30 1.245,30 5.495,25.75 24.008,25.75 24.879,24.879 ccw(c27,27) 27,24 30,24 30,-27 cw(c27,-27) 27,-30 -27,-30 cw(c-27,-27)
GND on Bottom Layer "NONET_L-01_P-001" (solid, remove dead copper, pour order 1): -30,-27 -30,27 cw(c-27,27) -27,30 1.245,30 5.495,25.75 24.008,25.75 24.879,24.879 ccw(c27,27) 27,24 30,24 30,-27 cw(c27,-27) 27,-30 -27,-30 cw(c-27,-27)

## Keep-outs
Keep-Out Layer:
  lines w0.254: 3,24.5 3,24.521 ; 3,24.5 3,24.521 ; 3,24.5 23,24.5 24,24.5 ccw(c27,27) 27,23.095 30,23.095 30,-27 cw(c27,-27) 27,-30 -27,-30 cw(c-27,-27) -30,-27 -30,27 cw(c-27,27) -27,30 -2.479,30 3,24.521

## Other copper
Top Layer:
  rectangle net GND: -16.231,-2.261 -11.786,1.676

## Silkscreen, mask and mechanical layers (free items; w line width, h text height)
Top Overlay:
  circle w0.254: c27,27 r1.5
  lines w0.254: 22.521,25 22.521,25
  lines w0.381: -30,-21.7 30,-21.7 ; -30,2.5 30,2.5 ; -17.78,2.515 -17.78,29.896 ; -15.443,-21.7 -15.443,-10.998 -7.798,-10.998 ; -7.8,-11 -7.8,2.5 ; -7.8,-5 3.5,-5 ; 3.5,2.5 3.5,-19.3 4.75,-19.3 4.75,-21.7 ; 3.505,2.413 3.531,2.438 ; 12.5,-21.7 12.5,-9.8 22,-9.8 22,2.5 ; -31,-27 ccw(c-27,-27) -27,-31 27,-31 ccw(c27,-27) 31,-27 31,27 ccw(c27,27) 23,27 22,26 3,26 -2,31 -27,31 ccw(c-27,27) -31,27 -31,-27 ; -30,-27 ccw(c-27,-27) -27,-30 27,-30 ccw(c27,-27) 30,-27 30,27 ccw(c27,27) 24,27 24,26.479 22.521,25 2.521,25 -2.479,30 -27,30 ccw(c-27,27) -30,27 -30,-27
  text "Button" at -17.868,19.964 h1.78 r90
  text "Processor" at 20.269,2.603 h1.78
  text "D1 - D4 / D1 - D3 / D1 - D2" at -2.75,-1.524 h1.4
  text "Jumper" at -2.73,-4.865 h1.78
  text "Power" at 4.992,-5.156 h1.78 r90
  text "Downloader" at 21.857,-9.817 h1.78 r90
  text "Battery Management" at -30.008,-21.553 h1.78
  text "Control" at -16.178,-28.984 h1.78
  text "Power" at 4.113,-28.984 h1.78
Bottom Overlay:
  lines w0.381: -2.479,30 -27,30 ccw(c-27,27) -30,27 -30,-27 ccw(c-27,-27) -27,-30 27,-30 ccw(c27,-27) 30,-27 30,27 ccw(c27,27) 24,27 24,26.48 ; -2.479,30 2.521,25 22.521,25 24,26.479
  text "NIXIE TUBE CLOCK" at 15.353,2.246 h5
  text "Main Board" at 5.811,-6.319 h3
  text "Version 4.0 / Yunfan" at 6.432,-10.53 h2
  text "Final" at -26.178,-19.728 h3 r90
Mechanical 1:
  circle w0.254: c27,27 r1.519
  pour cut-out: 25.5,27 ccw(c27,27) 27,25.5 ccw(c27,27) 28.5,27 ccw(c27,27) 27,28.5 ccw(c27,27)
  lines w0.254: -31,-27 ccw(c-27,-27) -27,-31 27,-31 ccw(c27,-27) 31,-27 31,27 ccw(c27,27) 23,27 22,26 3,26 -2,31 -27,31 ccw(c-27,27) -31,27 -31,-27
Mechanical 5:
  circle w0.254: c-27,-27 r3.2
  circle w0.254: c27,-27 r3.2
  circle w0.254: c27,27 r3.2

## Dimensions
-31,-27 to 31,-27 on Mechanical 1
-27,31 to -27,-31 on Mechanical 1

## Text inside footprints (layer, text, board x,y; h text height)
U1: Top Overlay "*" at 3.047,26.355 h1.27; Mechanical 13 "*" at 4.521,26.355 h1.27